# KiCad board SuperBrick1.kicad_pcb (continued)
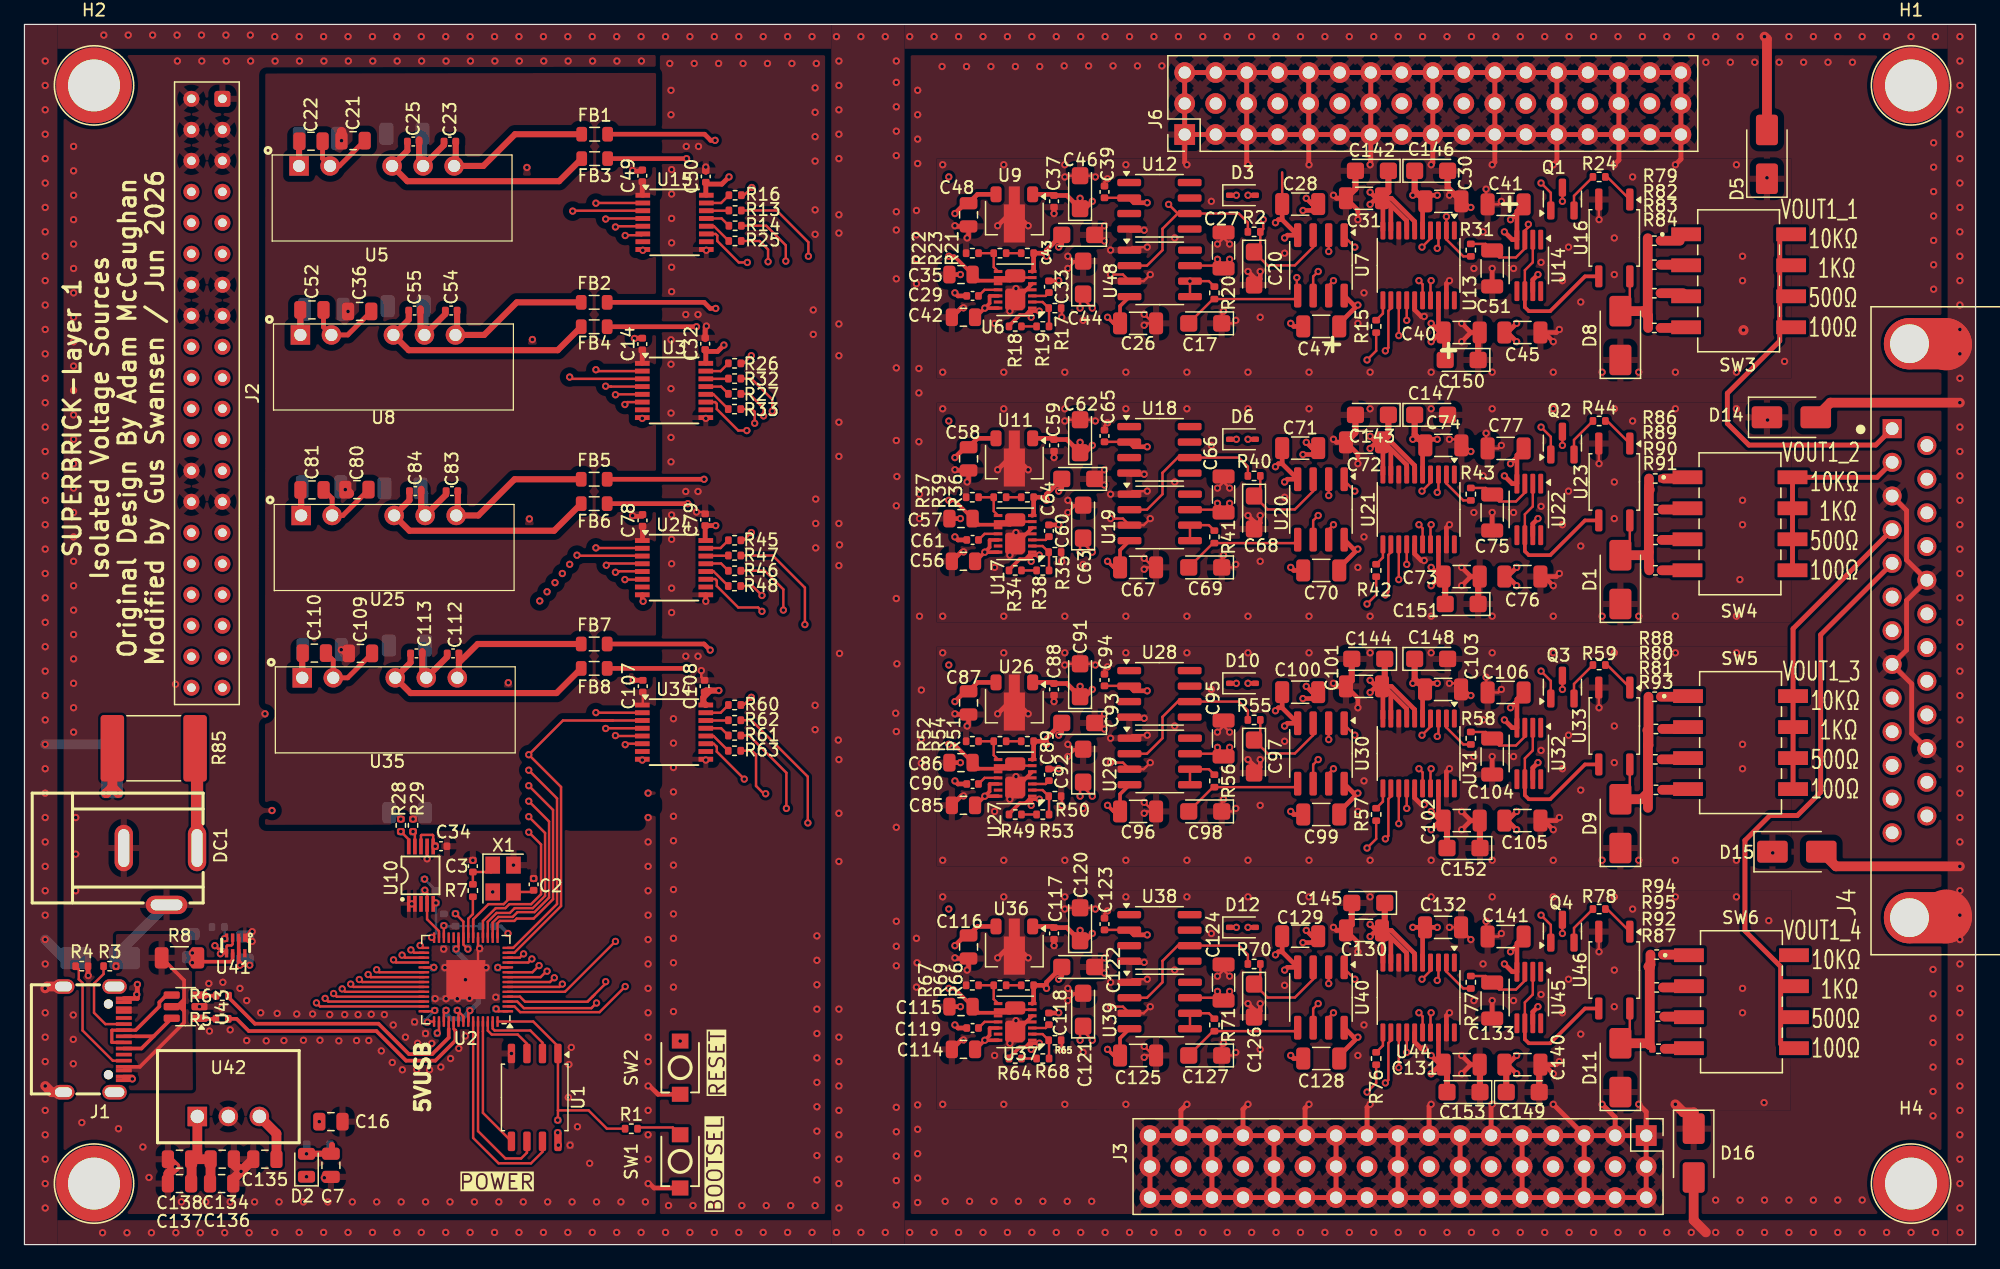
[diagram p0: board, top side]
## Routing (per net, layer and track width the routed paths; a pad name or vN(x,y) marks a point on that pad's centre or on a via; arc(x,y) is an arc through that point) (continued)
/Isolated DAC1/AD5781-1/VDD_ISO: length 34.1
  Top w0.2: 98.2,80.25 C27.2 97.97,80.23 U48.7 ; 98.2,80.25 v1(97.7,80.75) ; 98.2,80.25 v1(98.7,80.75) ; v1(87.45,76.75) 86.45,77.75 86.45,77.9 ; U12.2 90.45,85.79 C39.1 ; v1(86.45,76.75) 86.45,77.65 C44.1
  Top w0.3: 82.31,76.5 81.97,76.17 81.5,76.17 80.63,75.3 R18.2 ; 82.31,76.5 v1(83.11,76.5) ; 82.31,76.5 82.45,76.36 v1(82.45,76)
  Top w0.381: v1(104.7,84.75) 105.42,84.75 C28.1 105.45,85.28 v1(104.97,85.75) ; v1(123.95,79.5) 123.53,79.08 U14.7 ; U13.5 114.5,85.28 114.72,85.5 ; 114.72,85.5 115.22,86 v1(115.7,86) ; 114.72,85.5 114.22,86 v1(113.7,86) ; v1(91.95,85.39) 90.86,85.39 U12.2 ; U7.8 108.86,77 v1(109.2,77) 107.67,75.47 C47.1 ; 121.45,74.75 v1(122.2,74) ; 121.45,74.75 v1(122.2,75.5) ; 121.45,74.75 C45.1 ; v1(99.25,86) D3.1 ; C33.2 84.68,78.98 v1(84.7,79)
  Top w0.5: 114.72,85.5 113.85,86.38 C146.1
/Isolated DAC1/AD5781-1/VSS_ISO: length 33.3
  Top w0.2: 103,87.87 C28.2
  Top w0.3: v1(88.7,76) 89.2,75.5 89.72,75.5 89.72,76.92 U48.4
  Top w0.381: 115.95,74.75 116.22,74.75 115.8,75.17 U13.18 ; 115.95,74.75 v1(115.2,74) ; 115.95,74.75 v1(115.2,75.5) ; v1(76.2,78) 76.45,77.75 C29.2 ; v1(103.7,75.5) 103.95,75.25 104.72,75.25 ; 82.54,79.77 82.65,79.88 R21.2 83.45,81.25 v1(83.7,81) 83.7,81.5 C43.2 84.95,82 v1(84.7,81.75) ; v1(103.2,82.5) 103.42,82.72 U7.4 103,84 ; v1(121.2,83) 121.84,82.36 122.22,82.36 122.22,84.7 122.78,85.25 122.78,85.08 v1(121.7,84) ; 103,84 102.69,84 v1(102.45,83.75) ; 103,84 C28.2
  Top w0.5: C150.2 116.35,74.62 116.22,74.75
  In4.Cu w0.381: v1(115.2,75.5) 115.08,75.38
/Isolated DAC1/Power isolation/+15V_ISO: length 41.1
  Top w0.3: U6.14 v1(78.65,76.75) ; v1(78.65,76.75) 79.04,77.14 79.04,77.72 79.06,77.75 U6.12 ; v1(78.65,76.75) 77.9,76 C42.1
  Top w0.381: v1(76.2,84.5) 77.05,85.34 C48.1 78.05,86.08 U9.3 ; v1(56.56,90.5) 56.2,90.5 55.7,91 FB1.2
  In4.Cu w0.381: v1(56.56,90.5) 56.56,87.27 58.14,85.69 75.01,85.69 v1(76.2,84.5)
/Isolated DAC1/Power isolation/-15V_ISO: length 39.2
  Top w0.2: U6.9 81.28,79.25 U6.6
  Top w0.3: v1(75.7,81) 76.15,81 C35.1 78.15,79 80.74,79 U6.9
  Top w0.381: v1(54.22,89) FB3.2
  In4.Cu w0.381: v1(54.22,89) 54.22,88.91 61.44,81.69 75.01,81.69 v1(75.7,81)
/Isolated DAC2/AD5781-1/VCC_ISO: length 48.7
  Top w0.2: 55.75,72.29 55.8,72.24 U3.16 55.7,72.32 ; Q2.3 v1(125.95,65.5)
  Top w0.381: v1(100.2,66) D6.2 ; C62.1 85.37,65.98 C59.2 84.22,66.08 U11.1 ; C62.1 v1(86.45,65.75) ; C62.1 86.85,64.9 v1(87.45,65.5) ; C72.1 111.35,65.75 113.2,63.9 U21.7 ; C72.1 111.25,65.67 U21.10 ; C72.1 111.9,65.03 U21.9 ; C72.1 111.95,65.75 113.85,63.85 U21.6 ; C72.1 110.7,65.75 ; v1(110.2,66.25) 110.7,65.75 ; 110.7,65.75 v1(110.2,65.25)
  Top w0.4: v1(57.28,73.72) 56.76,73.2 55.75,73.2 55.8,73.15 U3.16
  Top w0.5: C72.1 111.7,66.28 C143.1
  In4.Cu w0.5: v1(75.7,67.5) 74.7,67.5 74.2,68 59.95,73.75 58.67,73.72 v1(57.28,73.72)
/Isolated DAC2/AD5781-1/VDD_ISO: length 34.1
  Top w0.2: U18.2 90.45,65.79 C65.1 ; U19.7 97.97,60.23 C66.2 98.2,60.25 ; 98.2,60.25 v1(98.7,60.75) ; 98.2,60.25 v1(97.7,60.75) ; 86.45,57.9 86.45,57.75 v1(87.45,56.75) ; C63.1 86.45,57.65 v1(86.45,56.75)
  Top w0.3: 82.31,56.5 81.97,56.17 81.5,56.17 80.63,55.3 R34.2 ; 82.31,56.5 82.45,56.36 v1(82.45,56) ; 82.31,56.5 v1(83.11,56.5)
  Top w0.381: C70.1 107.67,55.48 v1(109.2,57) 108.86,57 U20.8 ; U18.2 90.86,65.39 v1(91.95,65.39) ; v1(123.95,59.5) 123.53,59.08 U22.7 ; 121.45,54.75 v1(122.2,55.5) ; 121.45,54.75 v1(122.2,54) ; 121.45,54.75 C76.1 ; v1(84.7,59) 84.68,58.98 C60.2 ; v1(104.7,64.75) 105.42,64.75 C71.1 105.45,65.28 v1(104.97,65.75) ; 114.72,65.5 114.22,66 v1(113.7,66) ; 114.72,65.5 114.5,65.28 U21.5 ; 114.72,65.5 115.22,66 v1(115.7,66) ; v1(99.25,66) D6.1
  Top w0.5: 114.72,65.5 113.85,66.38 C147.1
/Isolated DAC2/AD5781-1/VSS_ISO: length 30.5
  Top w0.3: v1(88.7,56) 89.2,55.5 89.72,55.5 89.72,56.91 U19.4
  Top w0.381: 104.72,55.25 103.95,55.25 v1(103.7,55.5) ; C61.2 76.45,57.75 v1(76.2,58) ; v1(121.7,64) 122.78,65.08 122.78,65.25 122.22,64.7 122.22,62.36 121.84,62.36 v1(121.2,63) ; v1(102.45,63.75) 102.69,64 103,64 ; 115.95,54.75 v1(115.2,55.5) ; 115.95,54.75 116.22,54.75 115.8,55.17 U21.18 ; 115.95,54.75 v1(115.2,54) ; v1(103.2,62.5) 103.42,62.73 U20.4 103,64 ; 103,64 C71.2 ; 82.54,59.77 82.65,59.88 R36.2 83.45,61.25 v1(83.7,61) 83.7,61.5 C64.2 84.95,62 v1(84.7,61.75)
  Top w0.5: 116.22,54.75 116.35,54.62 C151.2
/Isolated DAC2/Power isolation/+15V_ISO: length 43.8
  Top w0.3: U17.14 v1(78.65,56.75) ; v1(78.65,56.75) 79.04,57.14 79.04,57.73 79.06,57.75 U17.12 ; v1(78.65,56.75) 77.9,56 C56.1
  Top w0.381: FB2.2 55.66,77.22 56.16,76.72 v1(56.61,76.72) ; U11.3 78.05,66.08 C58.1 77.05,65.34 v1(76.2,64.5)
  In4.Cu w0.381: v1(56.61,76.72) 56.61,75.68 56.59,75.66 56.59,73.44 58.08,71.95 61.26,71.95 64.13,69.08 66.36,69.08 70.92,64.52 76.18,64.52 v1(76.2,64.5)
/Isolated DAC2/Power isolation/-15V_ISO: length 42.6
  Top w0.2: U17.9 81.28,59.25 U17.6
  Top w0.3: U17.9 80.74,59 78.15,59 C57.1 76.15,61 v1(75.7,61)
  Top w0.381: v1(55.04,75.22) FB4.2
  In4.Cu w0.381: v1(75.7,61) 72.65,64.05 68.5,64.05 61.39,71.16 57.63,71.16 55.04,73.75 v1(55.04,75.22)
/Isolated DAC3/AD5781-1/VCC_ISO: length 51.5
  Top w0.2: 55.7,57.82 55.8,57.72 55.8,57.79 ; 55.8,58.87 55.85,58.93 ; Q3.3 v1(125.95,45.5)
  Top w0.381: C101.1 111.95,45.75 113.85,43.85 U31.6 ; C101.1 110.7,45.75 ; C101.1 111.35,45.75 113.2,43.9 U31.7 ; C101.1 111.9,45.02 U31.9 ; C101.1 111.25,45.67 U31.10 ; 110.7,45.75 v1(110.2,46.25) ; 110.7,45.75 v1(110.2,45.25) ; v1(87.45,45.5) 86.85,44.9 C91.1 ; C91.1 v1(86.45,45.75) ; C91.1 85.37,45.98 C88.2 84.22,46.08 U26.1 ; v1(100.2,46) D10.2
  Top w0.4: 55.75,57.75 C79.1 v1(56.61,58.93)
  Top w0.5: C144.1 111.4,45.98 C101.1
  In4.Cu w0.5: v1(75.7,47.5) 74.7,47.5 60.48,59.22 57.66,59.22 57.36,58.93 v1(56.61,58.93)
/Isolated DAC3/AD5781-1/VDD_ISO: length 34.1
  Top w0.2: 98.2,40.25 C95.2 97.97,40.23 U29.7 ; 98.2,40.25 v1(97.7,40.75) ; 98.2,40.25 v1(98.7,40.75) ; C92.1 86.45,37.65 v1(86.45,36.75) ; U28.2 90.45,45.79 C94.1 ; 86.45,37.9 86.45,37.75 v1(87.45,36.75)
  Top w0.3: 82.31,36.5 81.97,36.17 81.5,36.17 80.63,35.3 R49.2 ; 82.31,36.5 82.45,36.36 v1(82.45,36) ; 82.31,36.5 v1(83.11,36.5)
  Top w0.381: C105.1 121.45,34.75 ; 121.45,34.75 v1(122.2,34) ; 121.45,34.75 v1(122.2,35.5) ; C89.2 84.68,38.98 v1(84.7,39) ; v1(104.97,45.75) 105.45,45.27 C100.1 105.42,44.75 v1(104.7,44.75) ; v1(123.95,39.5) 123.53,39.08 U32.7 ; C103.1 114.2,46 v1(113.7,46) ; C103.1 114.5,45.3 U31.5 ; C103.1 115.2,46 v1(115.7,46) ; v1(91.95,45.38) 90.86,45.38 U28.2 ; v1(99.25,46) D10.1 ; U30.8 108.86,37 v1(109.2,37) 107.67,35.48 C99.1
  Top w0.5: C103.1 113.85,46.35 C148.1
/Isolated DAC3/AD5781-1/VSS_ISO: length 30.6
  Top w0.3: U29.4 89.72,36.91 89.72,35.5 89.2,35.5 v1(88.7,36)
  Top w0.381: v1(121.2,43) 121.84,42.36 122.22,42.36 122.22,44.7 122.78,45.25 122.78,45.08 v1(121.7,44) ; U31.18 115.8,35.17 116.22,34.75 115.95,34.75 ; 103,43.99 102.69,43.99 v1(102.45,43.75) ; 103,43.99 C100.2 ; 103,43.99 U30.4 103.42,42.73 v1(103.2,42.5) ; C90.2 76.45,37.75 v1(76.2,38) ; v1(84.7,41.75) 84.95,42 C93.2 83.7,41.5 v1(83.7,41) 83.45,41.25 R51.2 82.65,39.88 82.54,39.77 ; 115.95,34.75 v1(115.2,34) ; 115.95,34.75 v1(115.2,35.5) ; v1(103.7,35.5) 103.95,35.25 104.72,35.25
  Top w0.5: 116.22,34.75 116.5,34.48 C152.2
/Isolated DAC3/Power isolation/+15V_ISO: length 47.4
  Top w0.3: U27.14 v1(78.65,36.75) ; v1(78.65,36.75) 77.9,36 C85.1 ; v1(78.65,36.75) 79.04,37.14 79.04,37.73 79.06,37.75 U27.12
  Top w0.381: v1(76.2,44.5) 77.05,45.34 77.32,45.34 78.05,46.08 U26.3 ; v1(55.66,62.72) FB5.2
  In4.Cu w0.381: 55.9,57.5 55.9,62.48 v1(55.66,62.72) ; 55.9,57.5 56.18,57.22 ; 55.9,57.5 57.46,55.94 61.43,55.94 72.87,44.5 v1(76.2,44.5)
/Isolated DAC3/Power isolation/-15V_ISO: length 45.7
  Top w0.2: U27.6 81.28,39.25 U27.9
  Top w0.3: v1(75.7,41) 76.15,41 C86.1 78.15,39 80.74,39 U27.9
  Top w0.381: v1(54.33,60.72) FB6.2
  In4.Cu w0.381: v1(54.33,60.72) 54.33,57.96 56.82,55.47 61.23,55.47 v1(75.7,41)
/Isolated DAC4/AD5781-1/VCC_ISO: length 81.8
  Top w0.2: 55.8,45.18 C108.1 ; 55.7,44.32 U34.16 ; Q4.3 v1(125.95,25.5)
  Top w0.381: C130.1 111.25,25.67 U44.10 ; C130.1 111.9,25.02 U44.9 ; C130.1 110.7,25.75 ; C130.1 111.35,25.75 113.2,23.9 U44.7 ; C130.1 111.95,25.75 113.85,23.85 U44.6 ; C120.1 85.37,25.98 C117.2 84.22,26.08 U36.1 ; C120.1 v1(86.45,25.75) ; C120.1 86.85,24.9 v1(87.45,25.5) ; 110.7,25.75 v1(110.2,25.25) ; 110.7,25.75 v1(110.2,26.25) ; v1(100.2,26) D12.2
  Top w0.5: C145.1 111.4,25.98 C130.1 ; 55.8,44.24 55.78,44.24 55.6,44.43 55.6,44.85 56.15,45.41 ; C108.1 55.82,45.41 56.15,45.41 ; 56.15,45.41 v1(56.87,45.41)
  In4.Cu w0.381: v1(87.45,25.5) 89.86,25.5 91.05,26.69 99.54,26.69 100.2,26.03 v1(100.2,26) 100.89,26.69 109.76,26.69 v1(110.2,26.25) v1(110.2,25.25)
  In4.Cu w0.5: v1(75.7,27.5) 74.7,27.5 60.73,45.72 58.15,45.72 57.84,45.41 v1(56.87,45.41)
/Isolated DAC4/AD5781-1/VDD_ISO: length 33.6
  Top w0.2: v1(87.45,16.75) 86.45,17.75 86.45,17.9 ; v1(86.45,16.75) 86.45,17.65 C121.1 ; 98.2,20.25 v1(98.7,20.75) ; 98.2,20.25 v1(97.7,20.75) ; 98.2,20.25 C124.2 97.97,20.23 U39.7 ; C123.1 90.45,25.79 U38.2
  Top w0.3: 82.31,16.5 82.45,16.36 v1(82.45,16) ; 82.31,16.5 81.97,16.17 81.5,16.17 80.63,15.3 R64.2 ; 82.31,16.5 v1(83.11,16.5)
  Top w0.381: C132.1 v1(115.7,26) ; C132.1 114.5,25.8 U44.5 ; C132.1 v1(113.7,26) ; U38.2 90.86,25.38 v1(91.95,25.38) ; v1(104.97,25.75) 105.45,25.27 C129.1 105.42,24.75 v1(104.7,24.75) ; C128.1 107.67,15.47 v1(109.2,17) 108.86,17 U40.8 ; 121.45,14.75 v1(122.2,15.5) ; 121.45,14.75 v1(122.2,14) ; 121.45,14.75 C140.1 ; v1(84.7,19) 84.68,18.98 C118.2 ; U45.7 123.53,19.08 v1(123.95,19.5) ; v1(99.25,26) D12.1
  Top w0.5: C140.1 121.35,14.6 C149.1
/Isolated DAC4/AD5781-1/VSS_ISO: length 30.7
  Top w0.3: U39.4 89.72,16.91 89.72,15.5 89.2,15.5 v1(88.7,16)
  Top w0.381: v1(121.2,23) 121.84,22.36 122.22,22.36 122.22,24.7 122.78,25.25 122.78,25.08 v1(121.7,24) ; v1(102.45,23.75) 102.69,23.99 103,23.99 ; 103,23.99 U40.4 103.42,22.73 v1(103.2,22.5) ; 103,23.99 C129.2 ; 115.95,14.75 116.22,14.75 115.8,15.17 U44.18 ; 115.95,14.75 v1(115.2,15.5) ; 115.95,14.75 v1(115.2,14) ; 104.72,15.25 103.95,15.25 v1(103.7,15.5) ; C119.2 76.45,17.75 v1(76.2,18) ; 82.54,19.77 82.65,19.88 R66.2 83.45,21.25 v1(83.7,21) 83.7,21.5 C122.2 84.95,22 v1(84.7,21.75)
  Top w0.5: C153.2 116.5,14.47 116.22,14.75
  In4.Cu w0.381: v1(115.2,15.5) 115.32,15.62
/Isolated DAC4/Power isolation/+15V_ISO: length 49.3
  Top w0.3: v1(78.65,16.75) 77.9,16 C114.1 ; v1(78.65,16.75) U37.14 ; v1(78.65,16.75) 79.04,17.14 79.04,17.73 79.06,17.75 U37.12
  Top w0.381: FB7.2 55.66,49.22 v1(56.16,48.72) ; v1(76.2,24.5) 77.05,25.34 77.32,25.34 78.05,26.08 U36.3
  In4.Cu w0.381: v1(56.16,48.72) 56.16,47.22 56.12,47.19 56.12,44.58 v1(76.2,24.5)
/Isolated DAC4/Power isolation/-15V_ISO: length 49.7
  Top w0.2: U37.9 81.28,19.25 U37.6
  Top w0.3: U37.9 80.74,19 78.15,19 C115.1 76.15,21 v1(75.7,21)
  Top w0.381: v1(54.22,47.22) FB8.2
  In4.Cu w0.3: 75.7,21.19 v1(75.7,21)
  In4.Cu w0.381: v1(75.7,21) 75.51,21.19 75.51,24.18 54.22,45.47 v1(54.22,47.22)
/VBUS: length 16
  Top w0.3: 13.08,19.75 12.83,19.5 U43.5 ; 13.08,19.75 13.08,19.15 ; 13.08,19.75 13.08,20.09 ; 13.08,20.09 12.49,19.5 U43.5 ; 13.08,20.09 13.08,21.66 R8.1 ; 13.08,19.15 13.08,18.19 9.46,14.57 J1.B4 ; 13.08,19.15 12.72,19.5 U43.5
GND: length 60.5
  Top w0.2: v1(32.97,31.62) 32.98,31.62 U10.7 ; U41.1 18.16,25.16 ; U10.2 U10.1 v1(31.73,27.92) ; U2.19 37.15,22.74 37.19,22.7 v1(37.8,22.7)
  Top w0.3: v1(18.65,25.65) 18.55,25.65 U41.1 18.36,24.85 v1(18.65,24.85)
  Top w0.381: 51.2,5 51.56,4.64 SW1.1 ; v1(9.25,21.32) 9.25,20.17 J1.A1 ; 50.6,53.28 50.6,52.79 v1(50.67,52.72) ; 51.2,13 51.88,12.32 SW2.1 ; v1(5.22,22.05) 5.21,22.06 R4.2 ; v1(49.86,46.27) 49.88,46.24 C107.2 ; 50.62,59.68 49.86,59.68 v1(49.8,59.73) ; U3.8 v1(50.6,67.71) ; U34.8 v1(50.6,39.71) ; v1(8.84,13.58) 8.84,13.73 8.14,13.73 ; 50.64,81.56 v1(50.64,81.49)
  Top w0.4: 28.48,48.45 C109.2 26.47,46.45 U35.2 25.29,47.88 C110.2 ; v1(49.8,88.03) 49.86,87.97 50.6,87.97 ; C81.2 25.2,61.15 U25.2 26.08,59.75 28.2,61.88 C80.2 ; C52.2 24.49,75.2 U8.2 26.48,74.55 C36.2 28.42,76.48 28.43,76.47 ; C14.2 49.98,74.28 v1(49.96,74.26) ; 27.82,90.5 27.85,90.47 C21.2 25.79,88.4 U5.2 24.42,89.01 C22.2
  Top w0.5: v1(24.56,5.47) 24.63,5.55 C7.2
  Top w0.8: C135.2 v1(17.74,6) ; v1(17.74,6) 17.14,5.4 17.14,5 ; v1(17.74,6) 17.19,6.55 17.19,7 ; 11.79,5 11.79,5.8 v1(12.37,6.38) 11.79,6.95 11.79,7
  Bottom w0.2: C15.2 v1(38.6,20.27) ; C13.2 v1(35.45,20.15) ; v1(35.45,20.15) 36.41,20.15 v1(36.45,20.19) ; v1(35.45,20.15) v1(34.52,20.15) C4.1 33.64,20.16 v1(33.64,20.16) 33.63,20.15 C9.1
  Bottom w0.3: U4.1 25.2,7.88
  Bottom w0.8: D4.2 8.2,24.4 DC1.3
  vias: v1(4.03,90) v1(4.03,88) v1(4.03,86) v1(4.03,84) v1(4.03,82) v1(4.03,80) v1(4.03,78) v1(4.03,76) v1(4.03,74) v1(4.03,72) v1(4.03,70) v1(4.03,68) v1(4.03,66) v1(4.03,64) v1(4.03,62) v1(4.03,60) v1(4.03,58) v1(4.03,56) v1(4.03,54) v1(4.03,52) v1(4.03,50) v1(4.03,48) v1(4.03,46) v1(4.03,44) v1(4.03,42) v1(4,18.82) v1(4,16.82) v1(4,14.82) v1(4.2,35) v1(4.2,32) v1(4.2,29) v1(4.7,10) v1(7.5,22.82) v1(7.7,9.5) v1(9.2,20.5) v1(9.7,8) v1(10.2,5.5) v1(12.38,45.92) v1(12.53,97) v1(12.85,3.5) v1(14.34,19.5) v1(14.53,97) v1(14.85,3.5) v1(15.1,21.4) v1(15.15,17.5) v1(16.15,19.4) v1(16.25,21.5) v1(16.52,97) v1(16.85,17.6) v1(16.85,3.5) v1(17.65,21) v1(18.2,20) v1(18.2,16.73) v1(18.52,97) v1(18.85,3.5) v1(19.35,19) v1(19.7,43.5) v1(19.8,16.7) v1(20.27,35.58) v1(20.52,97) v1(20.7,18.95) v1(20.85,3.5) v1(21.25,16.73) v1(22.3,18.9) v1(22.52,97) v1(22.85,16.75) v1(22.85,3.5) v1(23.6,18.9) v1(24.2,16.75) v1(24.52,97) v1(24.85,3.5) v1(25,18.85) v1(25.75,16.7) v1(26.23,18.85) v1(26.52,97) v1(26.85,3.5) v1(27.2,16.73) v1(27.32,18.85) v1(28.2,16.73) v1(28.4,18.88) v1(28.52,97) v1(28.85,3.5) v1(29.23,15.88) v1(29.48,18.85) v1(30.12,14.92) v1(30.2,18) v1(30.52,97) v1(30.85,3.5) v1(30.95,14.33) v1(31.2,17) v1(31.95,18.25) v1(32.12,14.35) v1(32.2,16.5) v1(32.52,97) v1(32.85,17.3) v1(32.85,3.5) v1(33.17,14.33) v1(33.36,16.49) v1(34.1,14.55) v1(34.34,24.22) v1(34.44,22.7) v1(34.52,97) v1(34.85,3.5) v1(34.9,15.25) v1(35.57,16.08) v1(36.12,21.71) v1(36.1,17.1) v1(36.52,97) v1(36.73,31.49) v1(36.85,3.5) v1(37.28,24.26) v1(38.35,28.9) v1(38.52,97) v1(38.85,3.5) v1(39.62,46.05) v1(39.88,15.66) v1(40.05,31.1) v1(40.52,97) v1(40.85,3.5) v1(41.15,88.28) v1(41.35,59.48) v1(41.6,74.17) v1(41.7,30) v1(42.52,97) v1(42.85,3.5) v1(44.52,97) v1(44.54,12.06) v1(44.59,14.76) v1(44.69,8.15) v1(44.79,16.16) v1(44.85,3.5) v1(45.29,9.66) v1(46.29,6.66) v1(46.52,97) v1(46.85,3.5) v1(48.52,97) v1(48.85,3.5) v1(50.52,97) v1(50.85,3.5) v1(51.08,37) v1(51.08,35) v1(51.08,33) v1(51.08,31) v1(51.08,29) v1(51.08,27) v1(51.08,25) v1(51.08,23) v1(51.08,21) v1(51.08,19) v1(51.08,17) v1(51.08,15) v1(51.08,13) v1(51.08,11) v1(51.08,9) v1(51.08,7) v1(51.08,5)
/CS: length 18
  Top w0.2: 43.69,11 43.69,10.22 v1(43.67,10.2) ; 43.69,11 46.2,11 47.7,9.5 R1.1 ; 43.69,11 U1.1 43.69,16.26 41.67,18.28 U2.56
  Bottom w0.2: R12.1 v1(43.67,10.2)
/CS1_1: length 125.1
  Top w0.2: U15.3 44.93,84.73 v1(44.9,84.7) ; v1(23.91,19.81) 24.21,19.52 U2.41
  In2.Cu w0.2: J2.7 17.39,85.1 44.5,85.1 v1(44.9,84.7)
  In4.Cu w0.2: v1(23.91,19.81) 23.91,25.39 6.25,43.05 6.25,80.28 13.28,87.3 15.2,87.3 J2.7
/CS1_2: length 84.6
  Top w0.2: U2.40 24.88,19.92 v1(24.62,20.18)
  In4.Cu w0.2: 13.67,86.28 J2.8 13.68,86.28 6.75,79.35 6.75,43.05 24.62,25.18 v1(24.62,20.18)
/CS1_3: length 84.9
  Top w0.2: U2.39 25.58,20.32 v1(25.32,20.58)
  In4.Cu w0.2: v1(25.32,20.58) 25.32,24.96 7.25,43.02 7.25,78.65 12.72,84.12 12.72,84.14 13.28,84.69 15.26,84.69 J2.9
/CS1_4: length 79.6
  Top w0.2: v1(26.02,20.96) 26.26,20.72 U2.38
  In4.Cu w0.2: J2.10 13.64,83.74 7.75,77.85 7.75,43 26.02,24.73 v1(26.02,20.96)
/CS1_5: length 80
  Top w0.2: U2.37 26.95,21.12 v1(26.72,21.35)
  In4.Cu w0.2: v1(26.72,21.35) 26.72,24.53 8.25,43 8.25,77.28 13.13,82.16 15.26,82.16 J2.11
/CS1_6: length 74.6
  Top w0.2: v1(27.43,21.73) 27.46,21.73 27.66,21.52 U2.36
  In4.Cu w0.2: J2.12 8.75,76.28 8.75,43 27.43,24.33 v1(27.43,21.73)
/CS2_1: length 105.6
  Top w0.2: U2.35 28.37,21.92 v1(28.15,22.14) ; U3.3 44.8,70.95 v1(44.65,71.1)
  In2.Cu w0.2: J2.17 16.84,72.95 27.95,72.95 29.8,71.1 v1(44.65,71.1)
  In4.Cu w0.2: 13.34,74.6 15.2,74.6 J2.17 ; 13.34,74.6 9.25,70.51 9.25,43 28.15,24.1 v1(28.15,22.14) ; 13.34,74.6 13.55,74.6
/CS2_2: length 64.5
  Top w0.2: U2.34 29.05,22.32 v1(28.85,22.53)
  In4.Cu w0.2: J2.18 9.75,69.66 9.75,42.99 28.85,23.89 v1(28.85,22.53)
/CS2_3: length 64.3
  Top w0.2: U2.32 30.44,23.12 v1(30.23,23.34)
  In4.Cu w0.2: v1(30.23,23.34) 29.91,23.34 29.57,23.68 29.56,23.68 29.48,23.77 10.76,42.49 10.76,42.49 10.25,43 10.25,68.97 12.72,71.43 12.72,71.44 13.28,72 14.07,72 14.07,72 15.26,72 J2.19
/CS2_4: length 59.3
  Top w0.2: U2.31 31.17,23.52 30.97,23.73 v1(30.93,23.73)
  In4.Cu w0.2: v1(30.93,23.73) 30.68,23.98 29.82,23.98 10.75,43.05 10.75,68.12 12.38,69.75 J2.20
/CS2_5: length 60.1
  Top w0.2: v1(31.65,24.15) 31.67,24.15 31.9,23.92 U2.30
  In2.Cu w0.2: 16.32,68.4 J2.21
  In4.Cu w0.2: J2.21 15.26,69.45 14.07,69.45 14.07,69.46 13.28,69.46 11.25,67.43 11.25,43.05 29.95,24.35 31.45,24.35 v1(31.65,24.15)
/CS2_6: length 55
  Top w0.2: v1(32.4,24.52) 32.6,24.32 U2.29
  In4.Cu w0.2: v1(32.4,24.52) 32.17,24.75 30.05,24.75 11.75,43.05 11.75,66.58 J2.22
/CS3_1: length 75.4
  Top w0.2: v1(45.25,56.5) 45.3,56.45 50.6,56.45 ; v1(44.05,21.35) 43.82,21.12 U2.6
  In2.Cu w0.2: 45.3,56.45 v1(45.25,56.5) 19.45,56.5 17.61,58.34 J2.29
  In4.Cu w0.2: v1(44.05,21.35) 45.1,22.4 45.1,49.25 45.25,49.4 v1(45.25,56.5)
/CS3_2: length 70.4
  Top w0.2: v1(43.39,21.87) 43.04,21.52 U2.7
  In2.Cu w0.2: J2.30 15.26,56.75 18.73,56.75 19.73,55.75 v1(44.65,55.75)
  In4.Cu w0.2: v1(43.39,21.87) 44.38,22.86 44.38,49.25 44.65,49.51 v1(44.65,55.75)
/CS3_3: length 64.7
  Top w0.2: U2.8 42.27,21.92 42.76,22.41 v1(42.8,22.41)
  In2.Cu w0.2: J2.31 19.22,55.8 20.02,55 v1(44.05,55)
  In4.Cu w0.2: v1(42.8,22.41) 42.8,22.45 43.69,23.34 43.69,48.67 44.05,49.03 v1(44.05,55)
/CS3_4: length 65.1
  Top w0.2: U2.9 41.6,22.32 v1(42.15,22.87)
  In2.Cu w0.2: v1(43.45,54.25) 43.4,54.25 43.15,54.5 20.06,54.5 19.86,54.7 14.78,54.7 J2.32
  In4.Cu w0.2: v1(42.15,22.87) 42.17,22.87 43.4,24.1 43.4,54.2 v1(43.45,54.25)
/CS3_5: length 59.6
  Top w0.2: v1(41.56,23.41) 41.27,23.12 U2.11
  In2.Cu w0.2: v1(42.8,53.5) 42.4,53.5 42.15,53.75 16.7,53.75 J2.33
  In4.Cu w0.2: v1(42.8,53.5) 42.8,24.65 v1(41.56,23.41)
/CS3_6: length 60.1
  Top w0.2: v1(40.87,23.83) 40.57,23.52 U2.12
  In2.Cu w0.2: v1(42.2,52.75) 41.75,52.3 14.63,52.3 J2.34
  In4.Cu w0.2: v1(42.2,52.75) 42.35,52.6 42.35,25.3 v1(40.87,23.83)
/CS4_1: length 63.1
  Top w0.2: 48.2,42.95 U34.3 ; 48.2,42.95 44.1,42.95 v1(41.3,40.15) 43.95,37.51 43.95,27.74 40.12,23.92 U2.13 ; 48.2,42.95 47.23,42.95
  In2.Cu w0.2: v1(41.3,40.15) 22.05,40.15 18.93,43.27 18.93,48 J2.35
/CS4_2: length 52.4
  Top w0.2: U2.14 40.02,24.32 43.62,27.91 43.62,36.56 v1(41.3,38.88)
  In2.Cu w0.2: J2.36 14.63,49.77 15.98,49.77 18.61,47.14 18.61,43.04 22.05,39.6 32.35,39.6 33.07,38.88 v1(41.3,38.88)
/CS4_3: length 48.1
  Top w0.2: v1(41.3,37.61) 43.29,35.62 43.29,28.31 41.7,26.72 40.31,26.72 40.12,26.53 38.94,26.53 38.75,26.34 U2.15
  In2.Cu w0.2: J2.37 17.65,46.74 17.65,43.4 21.85,39.2 32.29,39.2 33.88,37.61 v1(41.3,37.61)
/CS4_4: length 49.4
  Top w0.2: U2.16 38.35,26.4 38.8,26.85 39.98,26.85 40.38,27.25 41.77,27.25 42.96,28.44 42.96,34.68 v1(41.3,36.34)
  In2.Cu w0.2: J2.38 14.63,47.23 15.98,47.23 17.17,46.04 17.17,43.33 21.65,38.85 32.17,38.85 34.68,36.34 v1(41.3,36.34)
/CS4_5: length 44.5
  Top w0.2: v1(41.3,35.07) 42.64,33.73 42.64,28.58 41.63,27.57 40.15,27.57 39.76,27.18 38.67,27.18 37.95,26.46 U2.17
  In2.Cu w0.2: v1(41.3,35.07) 35.49,35.07 32.06,38.5 21.45,38.5 16.21,43.73 J2.39
/CS4_6: length 45.1
  Top w0.2: U2.18 37.55,26.52 38.6,27.57 39.39,27.57 39.71,27.9 41.5,27.9 42.31,28.71 42.31,32.79 v1(41.3,33.8)
  In2.Cu w0.2: J2.40 13.76,45.64 21.25,38.15 31.95,38.15 36.3,33.8 v1(41.3,33.8)
/GPIO16_I2C0_SDA: length 5
  Top w0.2: U2.27 33.95,25.69 32.98,26.66 U10.4 ; U10.4 32.98,28.45 32.92,28.45 ; U10.4 32.98,28.86 v1(32.79,29.05)
/GPIO17_I2C0_SCL: length 3.4
  Top w0.2: v1(33.7,28) 33.62,27.92 U10.5 ; U2.28 33.37,25.16 v1(33.35,25.17)
  Bottom w0.2: v1(33.35,25.17) 33.7,25.53 v1(33.7,28)
/Isolated DAC1/+IN: length 4.4
  Top w0.2: v1(116.45,84.25) U13.2 116.45,82.38 117.84,80.99 R31.1
/Isolated DAC1/+IN_LP: length 7.3
  Top w0.2: R31.2 119.67,82.01 C51.1 120.78,80.9 122.14,80.9 122.88,81.63 U14.3 122.88,83.09 123.16,83.38 v1(123.16,83.62)
/Isolated DAC1/AD5781-1/RELAY: length 69.1
  Top w0.2: Q1.1 125,86.2 v1(124.2,87) ; R16.2 58.94,86 v1(59.57,86.63)
  In4.Cu w0.2: v1(124.2,87) 123.45,87.75 91.58,87.75 90.58,86.75 74.7,86.75 v1(59.57,86.63)
/Isolated DAC1/AD5781-1/SCLK: length 60.5
  Top w0.2: v1(112.55,74.5) U13.13 ; v1(62.35,80.6) 62.35,81.9 60.75,83.5 R14.2
  In4.Cu w0.2: v1(62.35,80.6) 75,74 112.05,74 v1(112.55,74.5)
/Isolated DAC1/AD5781-1/SDIN: length 60.2
  Top w0.2: U13.12 111.9,76.73 111.7,76.53 111.7,73.5 v1(111.45,73.25) ; v1(60.9,80.55) 60.9,81.55 60.2,82.25 R25.2
  In4.Cu w0.2: v1(60.9,80.55) 74.5,73.25 v1(111.45,73.25)
/Isolated DAC1/AD5781-1/SDO: length 59.9
  Top w0.2: U15.11 56.61,82.83 56.74,82.69 56.74,82.25 58.5,80.49 v1(59.2,80.49) ; R15.1 110.7,73.25 v1(109.95,72.5)
  In4.Cu w0.2: v1(59.2,80.49) 74,72.5 v1(109.95,72.5)
/Isolated DAC1/AD5781-1/VBUF: length 13.2
  Top w0.2: U14.6 122.88,79.85 123.53,80.5 U14.2
  Top w0.3: U16.3 127.8,79.35 124.95,76.5 123.2,76.5 122.88,76.83 U14.6
/Isolated DAC1/AD5781-1/~{SYNC}: length 60.4
  Top w0.2: v1(64.2,81) 64.2,82.15 61.6,84.75 R13.2 ; v1(113.2,75.75) U13.14
  In4.Cu w0.2: v1(113.2,75.75) 112.56,75.75 111.56,74.75 75.5,74.75 v1(64.2,81)
/Isolated DAC1/VREFNEG1: length 3.5
  Top w0.2: R20.1 97,78.96 v1(95.45,78.96) U48.5
/Isolated DAC1/VREFNEG2: length 11.5
  Top w0.2: C17.2 97.34,77.49 R20.2 103.98,77.49 U7.5 104.2,77.84 v1(104.2,79.25)
  In2.Cu w0.2: 104.1,79.35 v1(104.2,79.25)
/Isolated DAC1/VREFPOS1: length 14.6
  Top w0.2: 94.45,84.5 U12.6 99.45,84.5 100.19,83.76 R2.1 ; 94.45,84.5 v1(93.7,85.25) ; 94.45,84.5 93.2,83.25 93.2,81.5 91.93,80.23 U48.2
/Isolated DAC1/VREFPOS2: length 9.9
  Top w0.2: v1(101.45,84) 101.45,83.24 R2.2 101.21,81.86 C20.1 101.8,80.25 104.04,80.25 105.54,81.75 U7.3
/Isolated DAC2/+IN: length 3.3
  Top w0.2: U21.2 116.45,62.38 117.84,60.99 R43.1
/Isolated DAC2/+IN_LP: length 5.9
  Top w0.2: R43.2 119.67,62.01 C75.1 120.78,60.9 122.14,60.9 122.88,61.63 U22.3
/Isolated DAC2/AD5781-1/RELAY: length 70.3
  Top w0.2: v1(59.53,72.85) 58.89,72.22 R26.2 ; v1(124.2,67) 125,66.2 Q2.1
  In4.Cu w0.2: v1(124.2,67) 123.45,67.75 91.58,67.75 90.58,66.75 74.7,66.75 60.1,72.85 v1(59.53,72.85)
/Isolated DAC2/AD5781-1/SCLK: length 63.9
  Top w0.2: v1(60.53,67.92) 60.53,68.54 59.35,69.72 R27.2 ; v1(112.55,54.5) U21.13
  In4.Cu w0.2: v1(112.55,54.5) 112.05,54 74.9,54 61.19,67.71 60.99,67.71 60.78,67.92 v1(60.53,67.92)
/Isolated DAC2/AD5781-1/SDIN: length 64
  Top w0.2: v1(111.45,53.25) 111.7,53.5 111.7,56.53 111.9,56.73 U21.12 ; R33.2 59.59,68.47 59.8,68.26 v1(59.8,67.32)
  In4.Cu w0.2: v1(59.8,67.32) 60.63,67.32 74.7,53.25 v1(111.45,53.25)
/Isolated DAC2/AD5781-1/SDO: length 63.7
  Top w0.2: U3.11 56.56,69.05 56.7,68.91 56.7,68.47 58.46,66.72 v1(59.16,66.72) ; v1(109.95,52.5) 110.7,53.25 R42.1
  In4.Cu w0.2: v1(109.95,52.5) 74.7,52.5 59.98,66.72 v1(59.16,66.72)
/Isolated DAC2/AD5781-1/VBUF: length 13.2
  Top w0.2: U22.6 122.88,59.85 123.53,60.5 U22.2
  Top w0.3: U22.6 122.88,56.83 123.2,56.5 124.95,56.5 127.8,59.35 U23.3
/Isolated DAC2/AD5781-1/~{SYNC}: length 63.9
  Top w0.2: R32.2 59.53,70.97 61.24,69.26 v1(61.24,68.31) ; v1(113.2,55.75) U21.14
  In4.Cu w0.2: v1(61.24,68.31) 61.69,68.31 75.25,54.75 111.56,54.75 112.56,55.75 v1(113.2,55.75)
/Isolated DAC2/VREFNEG1: length 3.5
  Top w0.2: R41.1 97,58.96 U19.6 U19.5
/Isolated DAC2/VREFNEG2: length 9.9
  Top w0.2: U20.5 103.98,57.49 R41.2 97.34,57.49 C69.2
/Isolated DAC2/VREFPOS1: length 13.6
  Top w0.2: U19.2 91.93,60.23 93.2,61.5 93.2,63.25 94.45,64.5 U18.6 99.45,64.5 100.19,63.76 R40.1
/Isolated DAC2/VREFPOS2: length 8.8
  Top w0.2: R40.2 101.21,61.86 C68.1 101.8,60.25 104.04,60.25 105.54,61.75 U20.3
/Isolated DAC3/+IN: length 3.3
  Top w0.2: U31.2 116.45,42.38 117.84,40.99 R58.1
/Isolated DAC3/+IN_LP: length 5.9
  Top w0.2: U32.3 122.88,41.63 122.14,40.9 120.78,40.9 C104.1 119.67,42.01 R58.2
/Isolated DAC3/AD5781-1/RELAY: length 73.3
  Top w0.2: v1(59.53,58.35) 58.89,57.72 R45.2 ; v1(124.2,47) 125,46.2 Q3.1
  In4.Cu w0.2: v1(124.2,47) 123.45,47.75 91.58,47.75 90.58,46.75 74.2,46.75 60.1,58.35 v1(59.53,58.35)
/Isolated DAC3/AD5781-1/SCLK: length 68.6
  Top w0.2: v1(112.55,34.5) U31.13 ; v1(62.15,52) 62.15,53.7 60.63,55.22 R46.2
  In4.Cu w0.2: v1(112.55,34.5) 112.05,34 75,34 v1(62.15,52)
/Isolated DAC3/AD5781-1/SDIN: length 67.8
  Top w0.2: U31.12 111.9,36.73 111.7,36.53 111.7,33.5 v1(111.45,33.25) ; R48.2 59.63,53.97 v1(60.4,53.2)
  In4.Cu w0.2: v1(60.4,53.2) 74.5,33.25 v1(111.45,33.25)
/Isolated DAC3/AD5781-1/SDO: length 68.1
  Top w0.2: v1(109.95,32.5) 110.7,33.25 R57.1 ; v1(60.4,51.9) 60.08,52.22 58.46,52.22 56.7,53.97 56.7,54.41 56.56,54.55 55.8,54.55
  In4.Cu w0.2: v1(109.95,32.5) 74,32.5 v1(60.4,51.9)
/Isolated DAC3/AD5781-1/VBUF: length 13.2
  Top w0.2: U32.2 123.53,40.5 122.88,39.85 U32.6
  Top w0.3: U33.3 127.8,39.35 124.95,36.5 123.2,36.5 122.88,36.83 U32.6
/Isolated DAC3/AD5781-1/~{SYNC}: length 68.9
  Top w0.2: v1(63.92,50.82) 63.92,53.83 61.28,56.47 R47.2 ; v1(113.2,35.75) U31.14
  In4.Cu w0.2: v1(113.2,35.75) 112.56,35.75 111.56,34.75 75.5,34.75 63.9,50.8
/Isolated DAC3/VREFNEG1: length 3.5
  Top w0.2: R56.1 97,38.96 U29.6 U29.5
/Isolated DAC3/VREFNEG2: length 9.9
  Top w0.2: U30.5 103.98,37.49 R56.2 97.34,37.49 C98.2
/Isolated DAC3/VREFPOS1: length 13.6
  Top w0.2: U29.2 91.93,40.23 93.2,41.5 93.2,43.25 94.45,44.5 U28.6 99.45,44.5 100.19,43.76 R55.1
/Isolated DAC3/VREFPOS2: length 8.8
  Top w0.2: R55.2 101.21,41.86 C97.1 101.8,40.25 104.04,40.25 105.54,41.75 U30.3
/Isolated DAC4/+IN: length 3.3
  Top w0.2: U44.2 116.45,22.38 117.84,20.99 R77.1
/Isolated DAC4/+IN_LP: length 5.9
  Top w0.2: R77.2 119.67,22.01 C133.1 120.78,20.9 122.14,20.9 122.88,21.63 U45.3
/Isolated DAC4/AD5781-1/RELAY: length 77.7
  Top w0.2: v1(59.53,44.85) 58.89,44.22 R60.2 ; Q4.1 125,26.2 v1(124.2,27)